# Altium PCB Copy of GameBoard_V1I1_083018.PcbDoc (part 4 of 21) (continued)
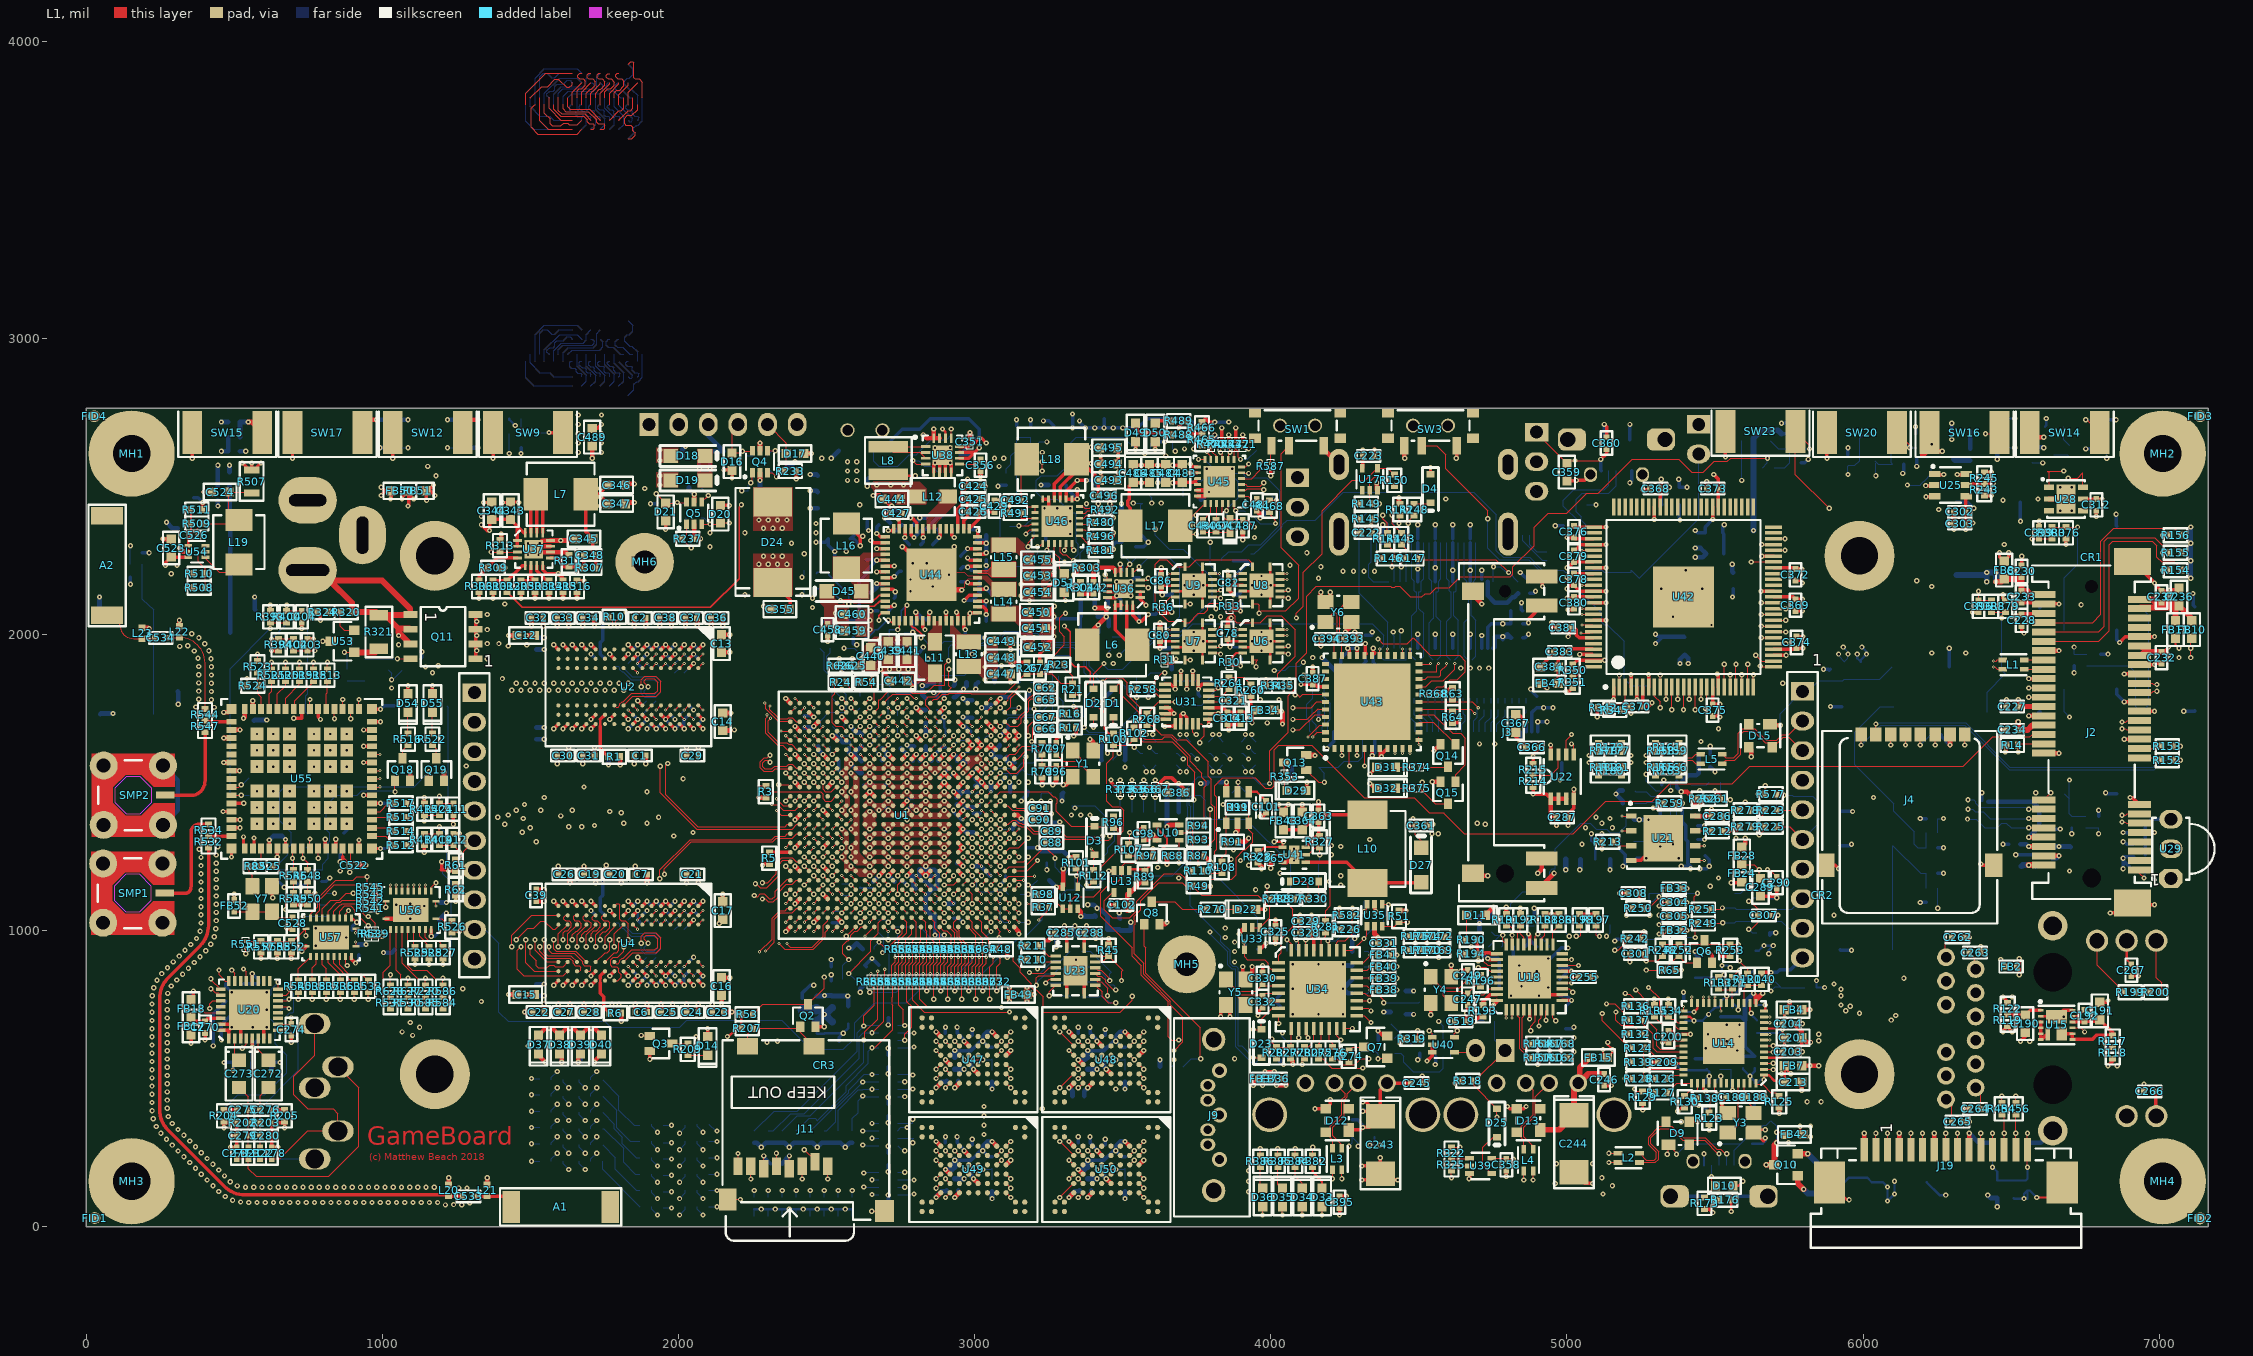
[diagram p0: L1 view]
## Footprints (in the part's own frame and the unit in brackets; to place one, negate y for a bottom-side part, rotate by r counter-clockwise, add the part's x,y. Pads: shape width x height; smd on the part's side, far side on the other; paste and mask are expansions set on the pad) (continued)
  rect 0.25x0.7 smd mask+0.03: 13(-2.75,-3.44) 14(-2.25,-3.44) 15(-1.75,-3.44) 16(-1.25,-3.44) 17(-0.75,-3.44) 18(-0.25,-3.44) 19(0.25,-3.44) 20(0.75,-3.44) 21(1.25,-3.44) 22(1.75,-3.44) 23(2.25,-3.44) 24(2.75,-3.44) 37(2.75,3.44) 38(2.25,3.44) 39(1.75,3.44) 40(1.25,3.44) 41(0.75,3.44) 42(0.25,3.44) 43(-0.25,3.44) 44(-0.75,3.44) 45(-1.25,3.44) 46(-1.75,3.44) 47(-2.25,3.44) 48(-2.75,3.44)
  rect 3.6x3.6 smd paste-10 mask+0.025: 49(0,0)
  silkscreen extent -3.6,-3.6 3.6,3.6, body extent -3.51,-3.51 3.51,3.51, height 0.78
QFN50P330X330X80_HS-15N [mm] "QFN, 14-Leads, Body 3.30x3.30mm, Pitch 0.50mm, Thermal Pad 2.05x2.05mm, IPC Medium Density"
  rect 0.25x0.75 smd mask+0.03: 1(-0.75,1.6) 7(-0.75,-1.6) 8(0.75,-1.6) 14(0.75,1.6)
  rect 0.75x0.25 smd mask+0.03: 2(-1.6,1) 3(-1.6,0.5) 4(-1.6,0) 5(-1.6,-0.5) 6(-1.6,-1) 9(1.6,-1) 10(1.6,-0.5) 11(1.6,0) 12(1.6,0.5) 13(1.6,1)
  rect 2.05x2.05 smd mask+0.03: 15(0,0)
  silkscreen extent -1.8,-1.8 1.8,1.8, body extent -1.65,-1.65 1.65,1.65, height 0.8
R0201 [mm]
  rect 0.3x0.3 smd mask+0.04: 1(-0.265,0) 2(0.265,0)
  silkscreen extent -0.6,-0.3 0.6,0.3, body extent -0.3,-0.15 0.3,0.15, height 0.32
R0402 [mm]
  rect 0.5x0.6 smd: 1(-0.5,0) 2(0.5,0)
  silkscreen extent -1,-0.6 1,0.6, body extent -0.5,-0.25 0.5,0.25, height 0.4
R0805_SMALL [mm]
  rect 0.6x1.3 smd paste-0.3 mask-0.3: 1(-1,0) 2(1,0)
  silkscreen extent -1.65,-1.02 1.65,1.02, body extent -1,-0.6 1,0.6, height 0.7
R1206 [mm]
  rect 0.9x1.6 smd: 1(-1.45,0) 2(1.45,0)
  silkscreen extent -2.16,-1.14 2.16,1.14, body extent -1.6,-0.8 1.6,0.8, height 0.84
R2512 [mm]
  rect 1x3.2 smd: 1(-3.2,0) 2(3.2,0)
  silkscreen extent -4.05,-1.85 4.05,1.85, body extent -3.15,-1.55 3.15,1.55, height 0.6
RGY0020A [mm] "QFN, 20-Leads, Body 4.5x3.5mm, Pitch 0.5mm, Thermal Pad 3.05x2.05mm, TI Recommended"
  rect 0.24x0.6 smd: 1(-0.75,2.15) 10(-0.75,-2.15) 11(0.75,-2.15) 20(0.75,2.15)
  rect 0.6x0.24 smd: 2(-1.65,1.75) 3(-1.65,1.25) 4(-1.65,0.75) 5(-1.65,0.25) 6(-1.65,-0.25) 7(-1.65,-0.75) 8(-1.65,-1.25) 9(-1.65,-1.75) 12(1.65,-1.75) 13(1.65,-1.25) 14(1.65,-0.75) 15(1.65,-0.25) 16(1.65,0.25) 17(1.65,0.75) 18(1.65,1.25) 19(1.65,1.75)
  rect 2.05x3.05 smd paste-1.025: 21(0,0)
  silkscreen extent -1.97,-2.47 1.97,2.47, body extent -1.75,-2.25 1.75,2.25, height 1
"RGY (R-PVQFN-N16)" [mm]
  rect 0.9x0.28 smd mask+0.06: 1(-1.95,-0.75) 8(1.95,-0.75) 9(1.95,0.75) 16(-1.95,0.75)
  rect 0.28x0.9 smd mask+0.06: 2(-1.25,-1.7) 3(-0.75,-1.7) 4(-0.25,-1.7) 5(0.25,-1.7) 6(0.75,-1.7) 7(1.25,-1.7) 10(1.25,1.7) 11(0.75,1.7) 12(0.25,1.7) 13(-0.25,1.7) 14(-0.75,1.7) 15(-1.25,1.7)
  rect 2.55x2.05 smd paste-10 mask+0.06: 17(0,0)
  silkscreen extent -2.5,-1.9 2.1,1.9, body extent -2,-1.75 2,1.75, height 0.84
RTW0024H [mm] "QFN, 24-Leads, Body 4x4mm, Pitch 0.5mm, Thermal Pad 2.7x2.7mm"
  rect 0.6x0.24 smd mask+0.03: 1(-1.9,1.25) 2(-1.9,0.75) 3(-1.9,0.25) 4(-1.9,-0.25) 5(-1.9,-0.75) 6(-1.9,-1.25) 13(1.9,-1.25) 14(1.9,-0.75) 15(1.9,-0.25) 16(1.9,0.25) 17(1.9,0.75) 18(1.9,1.25)
  rect 0.24x0.6 smd mask+0.03: 7(-1.25,-1.9) 8(-0.75,-1.9) 9(-0.25,-1.9) 10(0.25,-1.9) 11(0.75,-1.9) 12(1.25,-1.9) 19(1.25,1.9) 20(0.75,1.9) 21(0.25,1.9) 22(-0.25,1.9) 23(-0.75,1.9) 24(-1.25,1.9)
  rect 2.7x2.7 smd paste-1.35 mask+0.03: 25(0,0)
  silkscreen extent -2.22,-2.22 2.22,2.22, body extent -2.07,-2.07 2.08,2.08, height 1.01
S2B-PH-SM4-TB [mm]
  rect 1.5x3.4 smd mask+0.04: 0(0.75,1.7) 0(7.45,1.7)
  rect 1x3.5 smd mask+0.04: 1(3.1,7.25) 2(5.1,7.25)
  silkscreen extent -0.2,-0.2 8.4,8.9, body extent 0.1,0.2 8,8.8, height 5.5
SATA_VERTICAL [mm]
  round 1.3 hole 0.74: 1(0,0) 4(-3.81,0) 7(-7.62,0)
  oval 1.07x1.3 hole 0.74: 2(-1.27,1) 3(-2.54,1) 5(-5.08,1) 6(-6.35,1)
  round 2 hole 1.35: 8(2.67,0.5) 9(-10.29,0.5)
  silkscreen extent -12.51,-2.6 4.49,3.9, body extent -12.43,-2.55 4.47,3.9, height 8.43
SC70_5 [mm]
  rect 0.75x0.4 smd mask+0.025: 1(-0.95,0.65) 2(-0.95,0) 3(-0.95,-0.65) 4(0.95,-0.65) 5(0.95,0.65)
  silkscreen extent -0.76,-1.14 0.76,1.14, body extent -1.21,-1.14 1.21,1.14, height 1.1
SC70_6 [mm]
  rect 0.75x0.4 smd mask+0.025: 1(-0.95,0.65) 2(-0.95,0) 3(-0.95,-0.65) 4(0.95,-0.65) 5(0.95,0) 6(0.95,0.65)
  silkscreen extent -0.76,-1.14 0.76,1.14, body extent -1.21,-1.14 1.22,1.14, height 1.1
SC70_SOT323 [mm]
  rect 0.9x0.7 smd: 1(-0.95,0.65) 2(-0.95,-0.65) 3(0.95,0)
  silkscreen extent -0.7,-1.27 0.7,1.27, body extent -1.27,-1.27 1.27,1.27, height 1.1
SIM_MICRO_HINGED [mm]
  rect 1x1.2 smd mask+0.06: C1(-4.72,-5.6) C2(-2.18,-5.6) C3(0.36,-5.6) C4(2.9,-5.6) C5(-3.45,-5.6) C6(-0.91,-5.6) C7(1.63,-5.6) C8(4.17,-5.6)
  rect 1.5x2 smd: G1(-7.2,5.6) G2(7.2,5.6)
  silkscreen extent -7.5,-5.9 7.5,10.6, body extent -7.7,-5.8 7.7,10.5, height 1.87
SJ1-3535NG [mm] "3.5mm Headphone Jack"
  oval 1.8x2.7 hole 1.6: 1(0,-0.9) 2(2.4,1.1) 3(7.9,1.1) 4(11.6,-0.9) 5(6.1,-0.9)
  silkscreen extent -3.4,-5 12.9,3.4, body extent -5.22,-4.9 12.83,3.3, height 12.3
SMC [mm]
  rect 2.5x3.3 smd: 1(-3.45,0) 2(3.45,0)
  silkscreen extent -4.6,-3.2 4.65,3.2, body extent -3.98,-2.95 3.97,2.95, height 2.3
SMP-F [mm] "CONN SMP PLUG STR 50 OHM SMD"
  rect 0.6x1.6 smd: 1(0,-2.75)
  round 2.4 hole 1.2: 2(-2.54,-2.54) 3(2.54,-2.54) 4(2.54,2.54) 5(-2.54,2.54)
  L1 region: -3.556,-3.556 -0.711,-3.556 -0.711,-1.751 -1.778,-0.692 -1.778,0.635 -0.66,1.778 0.66,1.778 1.77,0.635 1.77,-0.692 0.711,-1.751 0.711,-3.556 3.556,-3.556 3.556,3.556 -3.556,3.556
  Keep-Out Layer region: -0.595,-1.6 0.6,-1.6 1.6,-0.6 1.6,0.6 0.6,1.6 -0.6,1.6 -1.6,0.6 -1.6,-0.602
  silkscreen extent -3,-0.74 3,3
SOD323 [mil]
  rect 22x27 smd mask+3: 1(-48,0) 2(48,0)
  silkscreen extent -75,-28 71,28, body extent -49,-25 49,25, height 39
SOD-123FL [mm]
  rect 1.25x1.22 smd: 1(-1.475,0) 2(1.475,0)
  silkscreen extent -2.5,-0.9 2.4,0.9, body extent -1.8,-0.82 1.8,0.83, height 0.95
SOD-523 [mm] "NXP Semiconductor recommended land pattern, nominal STEP model"
  rect 0.8x0.6 smd paste-0.05: 1(-0.55,0) 2(0.55,0)
  silkscreen extent -1.6,-0.64 1.2,0.63, body extent -0.8,-0.4 0.8,0.4, height 0.72
SON65P200X80_HS-7N [mm] "SON, 6-Leads, Body 2.00x2.00mm, Pitch 0.65mm, Thermal Pad 1.60x0.89mm, IPC Medium Density"
  rect 0.7x0.3 smd: 1(-0.995,0.65) 2(-0.995,0) 3(-0.995,-0.65) 4(0.995,-0.65) 5(0.995,0) 6(0.995,0.65)
  rect 0.89x1.6 smd: 7(0,0)
  silkscreen extent -1.5,-1.2 1.05,1.25, body extent -1.1,-1.05 1.1,1.05, height 0.8
SOT23-6_DBV6 [mm]
  rect 1x0.55 smd: 1(-1.35,0.95) 2(-1.35,0) 3(-1.35,-0.95) 4(1.35,-0.95) 5(1.35,0) 6(1.35,0.95)
  silkscreen extent -1.6,-1.53 0.9,1.7, body extent -1.5,-1.5 1.5,1.5, height 1.45
SOT143 [mm]
  rect 0.9x1.2 smd: 1(-1,0.8)
  rect 0.9x0.8 smd: 2(-1,-1) 3(1,-1) 4(1,1)
  silkscreen extent -1,-1.7 1,1.7, body extent -1,-1.7 1,1.7, height 1
SOT353 [mm] "SOT23, 5-Leads, Body 2.00x2.10mm, Pitch 0.65mm, IPC Medium Density"
  rect 0.8x0.4 smd: 1(-1.075,0.65) 2(-1.075,0) 3(-1.075,-0.65) 4(1.075,-0.65) 5(1.075,0.65)
  silkscreen extent -1.2,-1.1 0.3,1.52, body extent -1.1,-1.1 1.1,1.1, height 1
SOT363 [mm]
  rect 0.8x0.42 smd mask+0.06: 1(-0.95,0.65) 2(-0.95,0) 3(-0.95,-0.65) 4(0.95,-0.65) 5(0.95,0) 6(0.95,0.65)
  silkscreen extent -1.4,-1.2 0.7,1.4, body extent -1.2,-1.1 1.2,1.1, height 1.1
SOT665 [mm]
  rect 0.65x0.325 smd mask+0.05: 1(-0.75,0.538) 3(-0.75,-0.538)
  rect 0.8x0.25 smd mask+0.05: 2(-0.825,0)
  rect 0.65x0.4 smd mask+0.05: 4(0.75,-0.5) 5(0.75,0.5)
  silkscreen extent -1.2,-0.92 0.8,1.2, body extent -0.8,-0.8 0.8,0.8, height 0.6
SOT-23-3-123 [mm]
  rect 0.9x0.8 smd: 1(-1,0.95) 2(-1,-0.95) 3(1,0)
  silkscreen extent -0.76,-1.65 0.76,1.65, body extent -1.27,-1.65 1.27,1.65, height 1.1
SSSS811101 [mm] "Surface mount, 1 position, 2 pole switch"
  rect 1x0.8 smd: 0(-3.65,-1.1) 0(-3.65,1.1) 0(3.65,-1.1) 0(3.65,1.1)
  round 1.2 hole 0.9: 0(-1.5,0) 0(1.5,0)
  rect 0.7x1.5 smd: 1(-2.25,1.75) 2(0.75,1.75) 3(2.25,1.75)
  silkscreen extent -3.35,-1.3 3.35,1.3, body extent -3.85,-2.8 3.85,2.2, height 1.4
SSW-110-01-F-S [mm]
  rect 2x1.6 hole 1.1: 1(0,0)
  oval 2x1.6 hole 1.1: 2(0,-2.54) 3(0,-5.08) 4(0,-7.62) 5(0,-10.16) 6(0,-12.7) 7(0,-15.24) 8(0,-17.78) 9(0,-20.32) 10(0,-22.86)
  silkscreen extent -1.3,-24.4 1.3,1.67, body extent -1.21,-24.35 1.21,1.55, height 8.51
TACT_SMD_PLUNGER [mm]
  rect 1.55x1.3 smd mask+0.06: 1(-4.475,2.25) 2(4.475,2.25) 3(-4.475,-2.25) 4(4.475,-2.25)
  silkscreen extent -3.6,-3.1 3.6,3.1, body extent -5,-3 5,3, height 7.59
TACT_SMD_RA [mm]
  rect 1.7x3.7 smd mask+0.06: 1(-3,0) 2(3,0)
  silkscreen extent -4.2,-2.1 4.2,1.8, body extent -3.5,-1.76 3.5,2.65, height 2.23
TP_25C [mil]
  round 25 smd paste-25 mask+2: 1(0,0)
TSOP382 [mm]
  oct 2x1.6 hole 1.1 mask+0.03: 1(0,0)
  oval 2x1.6 hole 1.1 mask+0.03: 2(0,-2.54) 3(0,-5.08)
  silkscreen extent -3.75,-5.2 1.6,0.1, body extent -3.57,-5.33 1.6,0.25, height 10
TSQFP50P1600X1600X120_HS-101N [mm] "TSQFP, 100-Leads, Body 14.00x14.00mm, Pitch 0.50mm, Thermal Pad 5.20x5.20mm, IPC Medium Density"
  rect 1.45x0.3 smd: 1(-7.725,6) 2(-7.725,5.5) 3(-7.725,5) 4(-7.725,4.5) 5(-7.725,4) 6(-7.725,3.5) 7(-7.725,3) 8(-7.725,2.5) 9(-7.725,2) 10(-7.725,1.5) 11(-7.725,1) 12(-7.725,0.5) 13(-7.725,0) 14(-7.725,-0.5) 15(-7.725,-1) 16(-7.725,-1.5) 17(-7.725,-2) 18(-7.725,-2.5) 19(-7.725,-3) 20(-7.725,-3.5) 21(-7.725,-4) 22(-7.725,-4.5) 23(-7.725,-5) 24(-7.725,-5.5) 25(-7.725,-6) 51(7.725,-6) 52(7.725,-5.5) 53(7.725,-5) 54(7.725,-4.5) 55(7.725,-4) 56(7.725,-3.5) 57(7.725,-3) 58(7.725,-2.5) 59(7.725,-2) 60(7.725,-1.5) 61(7.725,-1) 62(7.725,-0.5) 63(7.725,0) 64(7.725,0.5) 65(7.725,1) 66(7.725,1.5) 67(7.725,2) 68(7.725,2.5) 69(7.725,3) 70(7.725,3.5) 71(7.725,4) 72(7.725,4.5) 73(7.725,5) 74(7.725,5.5) 75(7.725,6)
  rect 0.3x1.45 smd: 26(-6,-7.725) 27(-5.5,-7.725) 28(-5,-7.725) 29(-4.5,-7.725) 30(-4,-7.725) 31(-3.5,-7.725) 32(-3,-7.725) 33(-2.5,-7.725) 34(-2,-7.725) 35(-1.5,-7.725) 36(-1,-7.725) 37(-0.5,-7.725) 38(0,-7.725) 39(0.5,-7.725) 40(1,-7.725) 41(1.5,-7.725) 42(2,-7.725) 43(2.5,-7.725) 44(3,-7.725) 45(3.5,-7.725) 46(4,-7.725) 47(4.5,-7.725) 48(5,-7.725) 49(5.5,-7.725) 50(6,-7.725) 76(6,7.725) 77(5.5,7.725) 78(5,7.725) 79(4.5,7.725) 80(4,7.725) 81(3.5,7.725) 82(3,7.725) 83(2.5,7.725) 84(2,7.725) 85(1.5,7.725) 86(1,7.725) 87(0.5,7.725) 88(0,7.725) 89(-0.5,7.725) 90(-1,7.725) 91(-1.5,7.725) 92(-2,7.725) 93(-2.5,7.725) 94(-3,7.725) 95(-3.5,7.725) 96(-4,7.725) 97(-4.5,7.725) 98(-5,7.725) 99(-5.5,7.725) 100(-6,7.725)
  rect 5.2x5.2 smd: 101(0,0)
  silkscreen extent -7.85,-6.6 6.6,6.82, body extent -8,-8 8,8, height 1.2
TSSOP_38 [mm]
  rect 1.4x0.28 smd mask+0.025: 1(-2.85,4.5) 2(-2.85,4) 3(-2.85,3.5) 4(-2.85,3) 5(-2.85,2.5) 6(-2.85,2) 7(-2.85,1.5) 8(-2.85,1) 9(-2.85,0.5) 10(-2.85,0) 11(-2.85,-0.5) 12(-2.85,-1) 13(-2.85,-1.5) 14(-2.85,-2) 15(-2.85,-2.5) 16(-2.85,-3) 17(-2.85,-3.5) 18(-2.85,-4) 19(-2.85,-4.5) 20(2.85,-4.5) 21(2.85,-4) 22(2.85,-3.5) 23(2.85,-3) 24(2.85,-2.5) 25(2.85,-2) 26(2.85,-1.5) 27(2.85,-1) 28(2.85,-0.5) 29(2.85,0) 30(2.85,0.5) 31(2.85,1) 32(2.85,1.5) 33(2.85,2) 34(2.85,2.5) 35(2.85,3) 36(2.85,3.5) 37(2.85,4) 38(2.85,4.5)
  silkscreen extent -3.1,-5 2.3,5.1, body extent -2.3,-5 2.3,5, height 1.2
TXC_7XZ [mm] "SMD, 4-Leads, Body 3.2x2.5mm"
  rrect8% 1.2x1.4 smd: 1(-0.85,1.1) 2(-0.85,-1.1) 3(0.85,-1.1) 4(0.85,1.1)
  silkscreen extent -1.8,0.5 -1.6,1.7, body extent -1.3,-1.65 1.3,1.65, height 1.11
USB-A [mm]
  round 1.524 hole 1: 1(3.5,0.13) 2(1,0.13) 3(-1,0.13) 4(-3.5,0.13)
  round 3 hole 2.4: 5(-6.57,2.84) 6(6.57,2.84)
  silkscreen extent -10.75,-1 10.75,18.4, body extent -7.42,-0.7 7.42,13.1, height 7.2
USB_MICRO_AB [mm]
  rect 1.35x0.35 smd mask+0.025: 1(2.675,1.3) 2(2.675,0.65) 3(2.675,0) 4(2.675,-0.65) 5(2.675,-1.3)
  rrect84% 1.25x1.1 hole 0.85 mask+0.04: 6(3,2.225) 7(3,-2.225)
  rrect60% 1.9x2.425 hole 1.3 copper offset 0,-0.363: 8(0,4.175)
  rect 1.9x1.8 smd paste-10: 9(0,1.15) 10(0,-1.15)
  rrect60% 1.9x2.425 hole 1.3 copper offset 0,0.363: 11(0,-4.175)
  silkscreen extent -4.75,-5.4 2.85,5.4, body extent -2.75,-4.32 3.04,4.33, height 2.76
W3006 [mm] "ANTENNA"
  rect 1.5x2.75 smd: 1(-4.25,0) 2(4.25,0)
  silkscreen extent -5.2,-1.6 5.2,1.6, body extent -5,-1.4 5,1.4, height 1.5
WSON8_6X5MM [mm]
  rect 0.9x0.45 smd: 1(-2.75,1.905) 2(-2.75,0.635) 3(-2.75,-0.635) 4(-2.75,-1.905) 5(2.75,-1.905) 6(2.75,-0.635) 7(2.75,0.635) 8(2.75,1.905)
  rect 3.4x4 smd: 9(0,0)
  silkscreen extent -3.1,-2.6 3.1,3.1, body extent -3,-2.5 3,2.5, height 0.8
XFL4020-222MEC [mm]
  rect 0.98x3.4 smd: 1(-1.185,0) 2(1.185,0)
  silkscreen extent -2,-2 2,2, body extent -2,-2 2,2, height 3
ZIF_RA_BOTTOM_15X1MM [mm]
  rect 0.61x2 smd: 1(-7,1.4) 2(-6,1.4) 3(-5,1.4) 4(-4,1.4) 5(-3,1.4) 6(-2,1.4) 7(-1,1.4) 8(0,1.4) 9(1,1.4) 10(2,1.4) 11(3,1.4) 12(4,1.4) 13(5,1.4) 14(6,1.4) 15(7,1.4)
  rect 2.68x3.6 smd: 16(-9.99,-1.4) 17(9.99,-1.4)
  silkscreen extent -11.6,-7 11.6,1.5, body extent -11.46,-5.04 11.46,1.5, height 2.53

## Part data
A1 A2: "ANTENNA WLAN DUALBAND CERAM CHIP", Case/Package=SMD/SMT, Frequency=5GHz, Manufacturer="Pulse Electronics", Max Frequency=5.85GHz, Max Operating Temperature=85°C, Min Operating Temperature=-40°C, Package Quantity=1, Supplier Part Number 1=553-1673-1-ND, .Creator=MB, ComponentLink1Description=https://datasheet.ciiva.com/2792/+w3006-2792242.pdf, ComponentLink1URL=https://datasheet.ciiva.com/2792/+w3006-2792242.pdf, ComponentLink2Description=https://datasheet.ciiva.com/2792/+w3006-2792243.pdf, ComponentLink2URL=https://datasheet.ciiva.com/2792/+w3006-2792243.pdf, ComponentLink3Description=https://datasheet.ciiva.com/2792/+w3006-2792244.pdf, ComponentLink3URL=https://datasheet.ciiva.com/2792/+w3006-2792244.pdf, ComponentLink4Description=https://datasheet.ciiva.com/4432/w3006-203400-4432372.pdf, ComponentLink4URL=https://datasheet.ciiva.com/4432/w3006-203400-4432372.pdf, ComponentLink5Description=https://datasheet.ciiva.com/8152/antennas-g00302-8152982.pdf, ComponentLink5URL=https://datasheet.ciiva.com/8152/antennas-g00302-8152982.pdf, Contact Plating=Tin,Matte, Height=0.059inch, Impedance=50R, Length=10mm, Manufacturer Part Number=W3006, Mount="Surface Mount", Number of Bands=2, Number of Pins=2, Packaging=Bulk, Pricing 1="1=2.04, 10=1.846, 25=1.648, 100=1.4832, 250=1.3184, 500=1.1536 (USD)", Radiation Hardening=No, Return Loss=-10dB, Stock 1=500, Supplier 1=Digi-Key, Termination=Solder, Width=3.2mm
BAT1: "LITHIUM ION BATTERY - 2AH", Capacity=2Ah, Manufacturer="SparkFun Electronics", Standard Charge Current=-, Supplier Part Number 1=1568-1686-ND, .Creator=MB, Battery Cell Size=-, Battery Chemistry=Lithium-Ion, Category="Battery Products", ComponentLink1Description=https://media.digikey.com/pdf/Data%20Sheets/Sparkfun%20PDFs/PRT-13855_Web.pdf, ComponentLink1URL=https://media.digikey.com/pdf/Data%20Sheets/Sparkfun%20PDFs/PRT-13855_Web.pdf, Discharge Rate=-, Manufacturer Part Number=PRT-13855, Part Status=Active, Pricing 1="1=12.95 (USD)", RoHS="Not Applicable", Shipping Info="Due to possible restrictions, a change in ship method may be required.", Size / Dimension="2.40\" L x 2.10\" W x 0.25\" H (61.0mm x 53.3mm x 6.4mm)", Standard Charge Time=-, Stock 1=246, Supplier 1=Digi-Key, Termination Style="Wire Leads with Connector", Weight=-
C1 C2 C3 C4 C6 C7 C8 C9 C19 C20 C21 C22 C23 C24 C25 C26 C27 C28 C29 C30 C31 C32 C33 C34 C35 C36 C37 C38 C39 C40 C41 C42 C43 C44 C45 C46 C47 C48 C49 C50 C51 C52 C53 C54 C55 C56 C57 C58 C169 C322 C472: library part C1005X5R1E224M, "CAP CER .22UF 25V X5R 20% 0402", Capacitance=0.22µF, Manufacturer="TDK Corporation", Operating Temperature="-55°C ~ 85°C", Package / Case="0402 (1005 Metric)", Ratings=-, Supplier Part Number=445-5945-1-ND, Temperature Coefficient=X5R, Tolerance=±20%, Voltage - Rated=25V, .Checked PCB=used, .Checked SCH=used, Applications="General Purpose", Category=Capacitors, ComponentLink1Description=http://www.tdk.co.jp/tefe02/e412_c.pdf, ComponentLink1URL=http://www.tdk.co.jp/tefe02/e412_c.pdf, Features=-, Height - Seated (Max)=-, Lead Spacing=-, Lead Style=-, Manufacturer Part Number=C1005X5R1E224M, Mounting Type="Surface Mount, MLCC", Packaging="Cut Tape (CT)", Price 1k [$]=0.02600, Pricing 1="1=0.3, 10=0.2, 100=0.08, 250=0.05752, 500=0.041, 1000=0.03 (USD)", RoHS="RoHS Compliant", Size / Dimension="0.039\" L x 0.020\" W (1.00mm x 0.50mm)", Stock 1=54593, Supplier=Digikey, Supplier 1=Digi-Key, Supplier Part Number 1=445-5945-1-ND, Thickness (Max)="0.022\" (0.55mm)"
C5 C10 C18 C62 C65 C66 C67 C74 C78 C80 C82 C86 C98 C99 C100 C101 C102 C194 C202 C206 C209 C214 C218 C219 C220 C221 C222 C223 C226 C227 C228 C232 C233 C234 C235 C237 C238 C239 C241 C245 C246 C248 C250 C252 C256 C257 C258 C259 C261 C262 C263 C264 C265 C266 C267 C269 C270 C271 C274 C275 C276 C282 C284 C285 C286 C287 C288 C290 C298 C300 C301 C305 C308 C310 C312 C314 C316 C317 C318 C319 C321 C323 C324 C325 C326 C328 C331 C358 C360 C363 C366 C368 C369 C370 C372 C373 C374 C375 C376 C378 C379 C380 C381 C383 C385 C387 C388 C389 C390 C391 C395 C396 C397 C398 C399 C400 C401 C402 C403 C404 C405 C406 C407 C408 C409 C410 C411 C412 C413 C414 C415 C426 C428 C429 C432 C433 C436 C437 C457 C462 C463 C466 C467 C474 C476 C499 C500 C501 C502 C504 C505 C506 C507 C509 C510 C511 C512 C514 C515 C516 C517 C519 C520 C521 C528 C529 C530 C531 C532: library part C1005X5R1H104K, "CAP CER .10UF 50V X5R 10% 0402", Capacitance=0.1µF, Manufacturer="TDK Corporation", Operating Temperature="-55°C ~ 85°C", Package / Case="0402 (1005 Metric)", Ratings=-, Supplier Part Number=445-5942-1-ND, Temperature Coefficient=X5R, Tolerance=±10%, Voltage - Rated=50V, .Checked PCB=used, .Checked SCH=used, Applications="General Purpose", Category=Capacitors, ComponentLink1Description=http://www.tdk.co.jp/tefe02/e412_c.pdf, ComponentLink1URL=http://www.tdk.co.jp/tefe02/e412_c.pdf, Features=-, Height - Seated (Max)=-, Lead Spacing=-, Lead Style=-, Manufacturer Part Number=C1005X5R1H104K, Mounting Type="Surface Mount, MLCC", Packaging="Cut Tape (CT)", Price 1k [$]=0.02340, Pricing 1="1=0.27, 10=0.18, 100=0.072, 250=0.05176, 500=0.0369, 1000=0.027 (USD)", RoHS="RoHS Compliant", Size / Dimension="0.039\" L x 0.020\" W (1.00mm x 0.50mm)", Stock 1=106926, Supplier=Digikey, Supplier 1=Digi-Key, Supplier Part Number 1=445-5942-1-ND, Thickness (Max)="0.022\" (0.55mm)"
C11 C68 C190 C191 C193 C201 C205 C208 C213 C236 C240 C268 C289 C350 C359 C364 C367 C371 C377 C382 C384 C386 C392 C475 C479 C483 C484 C485 C486 C488 C489 C493 C494 C495 C498 C523 C524 C525: library part C1608X5R0J106M, "CAP CER 10UF 6.3V X5R 20% 0603", Capacitance=10µF, Manufacturer="TDK Corporation", Operating Temperature="-55°C ~ 85°C", Package / Case="0603 (1608 Metric)", Ratings=-, Supplier Part Number=445-4112-1-ND, Temperature Coefficient=X5R, Tolerance=±20%, Voltage - Rated=6.3V, .Checked PCB=used, .Checked SCH=used, Applications="General Purpose", Category=Capacitors, ComponentLink1Description=http://www.tdk.com/pdf/general_B11.pdf, ComponentLink1URL=http://www.tdk.com/pdf/general_B11.pdf, Features="Low ESR", Height - Seated (Max)=-, Lead Spacing=-, Lead Style=-, Manufacturer Part Number=C1608X5R0J106M, Mounting Type="Surface Mount, MLCC", Packaging="Cut Tape (CT)", Price 1k [$]=0.08580, Pricing 1="1=0.46, 10=0.363, 100=0.1898, 250=0.14024, 500=0.1089, 1000=0.0858 (USD)", RoHS="RoHS Compliant", Size / Dimension="0.063\" L x 0.031\" W (1.60mm x 0.80mm)", Stock 1=48157, Supplier=Digikey, Supplier 1=Digi-Key, Supplier Part Number 1=445-4112-1-ND, Thickness (Max)="0.037\" (0.95mm)"
C12 C13 C14 C15 C16 C17 C339 C340 C345 C346 C347 C439 C440 C441 C442 C443 C444 C445 C446 C447 C448 C449 C450 C451 C452: library part GRM188R60G226MEA0L, "CAP CER 22UF 4V 20% X5R 0603", Capacitance=22µF, Manufacturer="Murata Electronics North America", Operating Temperature="-55°C ~ 85°C", Package / Case="0603 (1608 Metric)", Ratings=-, Supplier Part Number 1=490-5526-1-ND, Temperature Coefficient=X5R, Tolerance=±20%, Voltage - Rated=4V, .Creator=MM, Applications="General Purpose", Category=Capacitors, ComponentLink1Description=http://www.murata.com/products/catalog/pdf/c02e.pdf, ComponentLink1URL=http://www.murata.com/products/catalog/pdf/c02e.pdf, Features=-, Height - Seated (Max)=-, Lead Spacing=-, Lead Style=-, Manufacturer Part Number=GRM188R60G226MEA0L, Mounting Type="Surface Mount, MLCC", Packaging="Cut Tape (CT)", Pricing 1="1=0.79, 10=0.663, 50=0.4752, 100=0.4158, 250=0.32672, 500=0.297, 1000=0.2376 (USD)", RoHS="RoHS Compliant", Size / Dimension="0.063\" L x 0.031\" W (1.60mm x 0.80mm)", Stock 1=5760, Supplier 1=Digi-Key, Thickness (Max)="0.035\" (0.90mm)"
  C12 C13 C14 C15 C16 C17: .Checked PCB="RF, used by MM", .Checked SCH="MM, checked by RF"
  C339 C340 C345 C346 C347 C439 C440 C441 C442 C443 C444 C445 C446 C447 C448 C449 C450 C451 C452: .Checked PCB=used, .Checked SCH=used
C59 C61 C64 C69 C70 C71 C73 C76 C84 C87 C93 C103 C104 C105 C106 C107 C108 C110 C111 C112 C113 C115 C116 C117 C118 C120 C121 C122 C123 C125 C126 C127 C128 C129 C130 C132 C133 C134 C135 C136 C137 C138 C139 C143 C144 C145 C146 C147 C149 C151 C153 C155 C156 C157 C158 C159 C160 C163 C164 C166 C168 C170 C171 C172 C173 C174 C175 C176 C177 C178 C179 C180 C181 C182 C183 C184 C187 C365: library part C0603X5R0J224M030BB, "CAP CER 0.22UF 6.3V 20% X5R 0201", Capacitance=0.22µF, Manufacturer="TDK Corporation", Operating Temperature="-55°C ~ 85°C", Package / Case="0201 (0603 Metric)", Ratings=-, Supplier Part Number 1=445-5929-1-ND, Temperature Coefficient=X5R, Tolerance=±20%, Voltage - Rated=6.3V, .Checked PCB=used, .Checked SCH=used, .Creator=MM, Applications="General Purpose", Category=Capacitors, ComponentLink1Description=http://product.tdk.com/en/catalog/datasheets/mlcc_commercial_general_en.pdf, ComponentLink1URL=http://product.tdk.com/en/catalog/datasheets/mlcc_commercial_general_en.pdf, Features=-, Height - Seated (Max)=-, Lead Spacing=-, Lead Style=-, Manufacturer Part Number=C0603X5R0J224M030BB, Mounting Type="Surface Mount, MLCC", Packaging="Cut Tape (CT)", Pricing 1="1=0.15, 10=0.102, 100=0.0485, 250=0.0408, 500=0.03418, 1000=0.0275, 5000=0.02325 (USD)", RoHS="RoHS Compliant", Size / Dimension="0.024\" L x 0.012\" W (0.60mm x 0.30mm)", Stock 1=205900, Supplier 1=Digi-Key, Thickness (Max)="0.013\" (0.33mm)"
C60 C63 C72 C75 C83 C92 C229 C230 C231 C251 C253 C304 C315 C320 C419 C422 C431 C434 C435 C438 C461 C464 C465 C487 C497: library part C1005X5R1A475M, "CAP CER 4.7UF 10V 20% X5R 0402", Capacitance=4.7µF, Manufacturer="TDK Corporation", Operating Temperature="-55°C ~ 85°C", Package / Case="0402 (1005 Metric)", Ratings=-, Supplier Part Number 1=445-8023-1-ND, Temperature Coefficient=X5R, Tolerance=±20%, Voltage - Rated=10V, .Checked PCB=used, .Checked SCH=used, Applications="General Purpose", Category=Capacitors, ComponentLink1Description=http://www.tdk.com/pdf/general_B11.pdf, ComponentLink1URL=http://www.tdk.com/pdf/general_B11.pdf, Features=-, Height - Seated (Max)=-, Lead Spacing=-, Lead Style=-, Manufacturer Part Number=C1005X5R1A475M, Mounting Type="Surface Mount, MLCC", Packaging="Cut Tape (CT)", Pricing 1="1=0.53, 10=0.415, 100=0.25, 250=0.18752, 500=0.16, 1000=0.125, 5000=0.095 (USD)", RoHS="RoHS Compliant", Size / Dimension="0.039\" L x 0.020\" W (1.00mm x 0.50mm)", Stock 1=10140, Supplier 1=Digi-Key, Thickness (Max)=-
C77 C79 C81 C85 C88 C89 C90 C91 C195 C196 C197 C198 C199 C200 C203 C204 C207 C210 C211 C212 C215 C216 C217 C302 C307 C327 C329 C458 C477 C481 C490 C496: library part C1005X7R1H103K, "CAP CER 10000PF 50V 10% X7R 0402", Capacitance=10000pF, Manufacturer="TDK Corporation", Operating Temperature="-55°C ~ 125°C", Package / Case="0402 (1005 Metric)", Ratings=-, Supplier Part Number=445-6850-1-ND, Temperature Coefficient=X7R, Tolerance=±10%, Voltage - Rated=50V, .Checked PCB=used, .Checked SCH=used, Applications="General Purpose", Category=Capacitors, ComponentLink1Description=http://www.tdk.co.jp/tefe02/e412_c.pdf, ComponentLink1URL=http://www.tdk.co.jp/tefe02/e412_c.pdf, Features=-, Height - Seated (Max)=-, Lead Spacing=-, Lead Style=-, Manufacturer Part Number=C1005X7R1H103K, Mounting Type="Surface Mount, MLCC", Packaging="Cut Tape (CT)", Price 1k [$]=0.01625, Pricing 1="1=0.2, 10=0.125, 100=0.045, 250=0.03252, 500=0.024, 1000=0.01625 (USD)", RoHS="RoHS Compliant", Size / Dimension="0.039\" L x 0.020\" W (1.00mm x 0.50mm)", Stock 1=3901, Supplier=Digikey, Supplier 1=Digi-Key, Supplier Part Number 1=445-6850-1-ND, Thickness (Max)="0.022\" (0.55mm)"